# Altium PCB Minion_1_SiC780A_Rev01.PcbDoc (part 5 of 6)
Units mil, origin at the board's own origin, x right, y up, seen from the top; angles counter-clockwise.
Board outline 3937.01 x 3937.01 mil, 4 copper layers (L1, L2, L3, L4), stack 62.087 mil thick; 410 components, 107 nets, 1950 pads, 1997 vias.
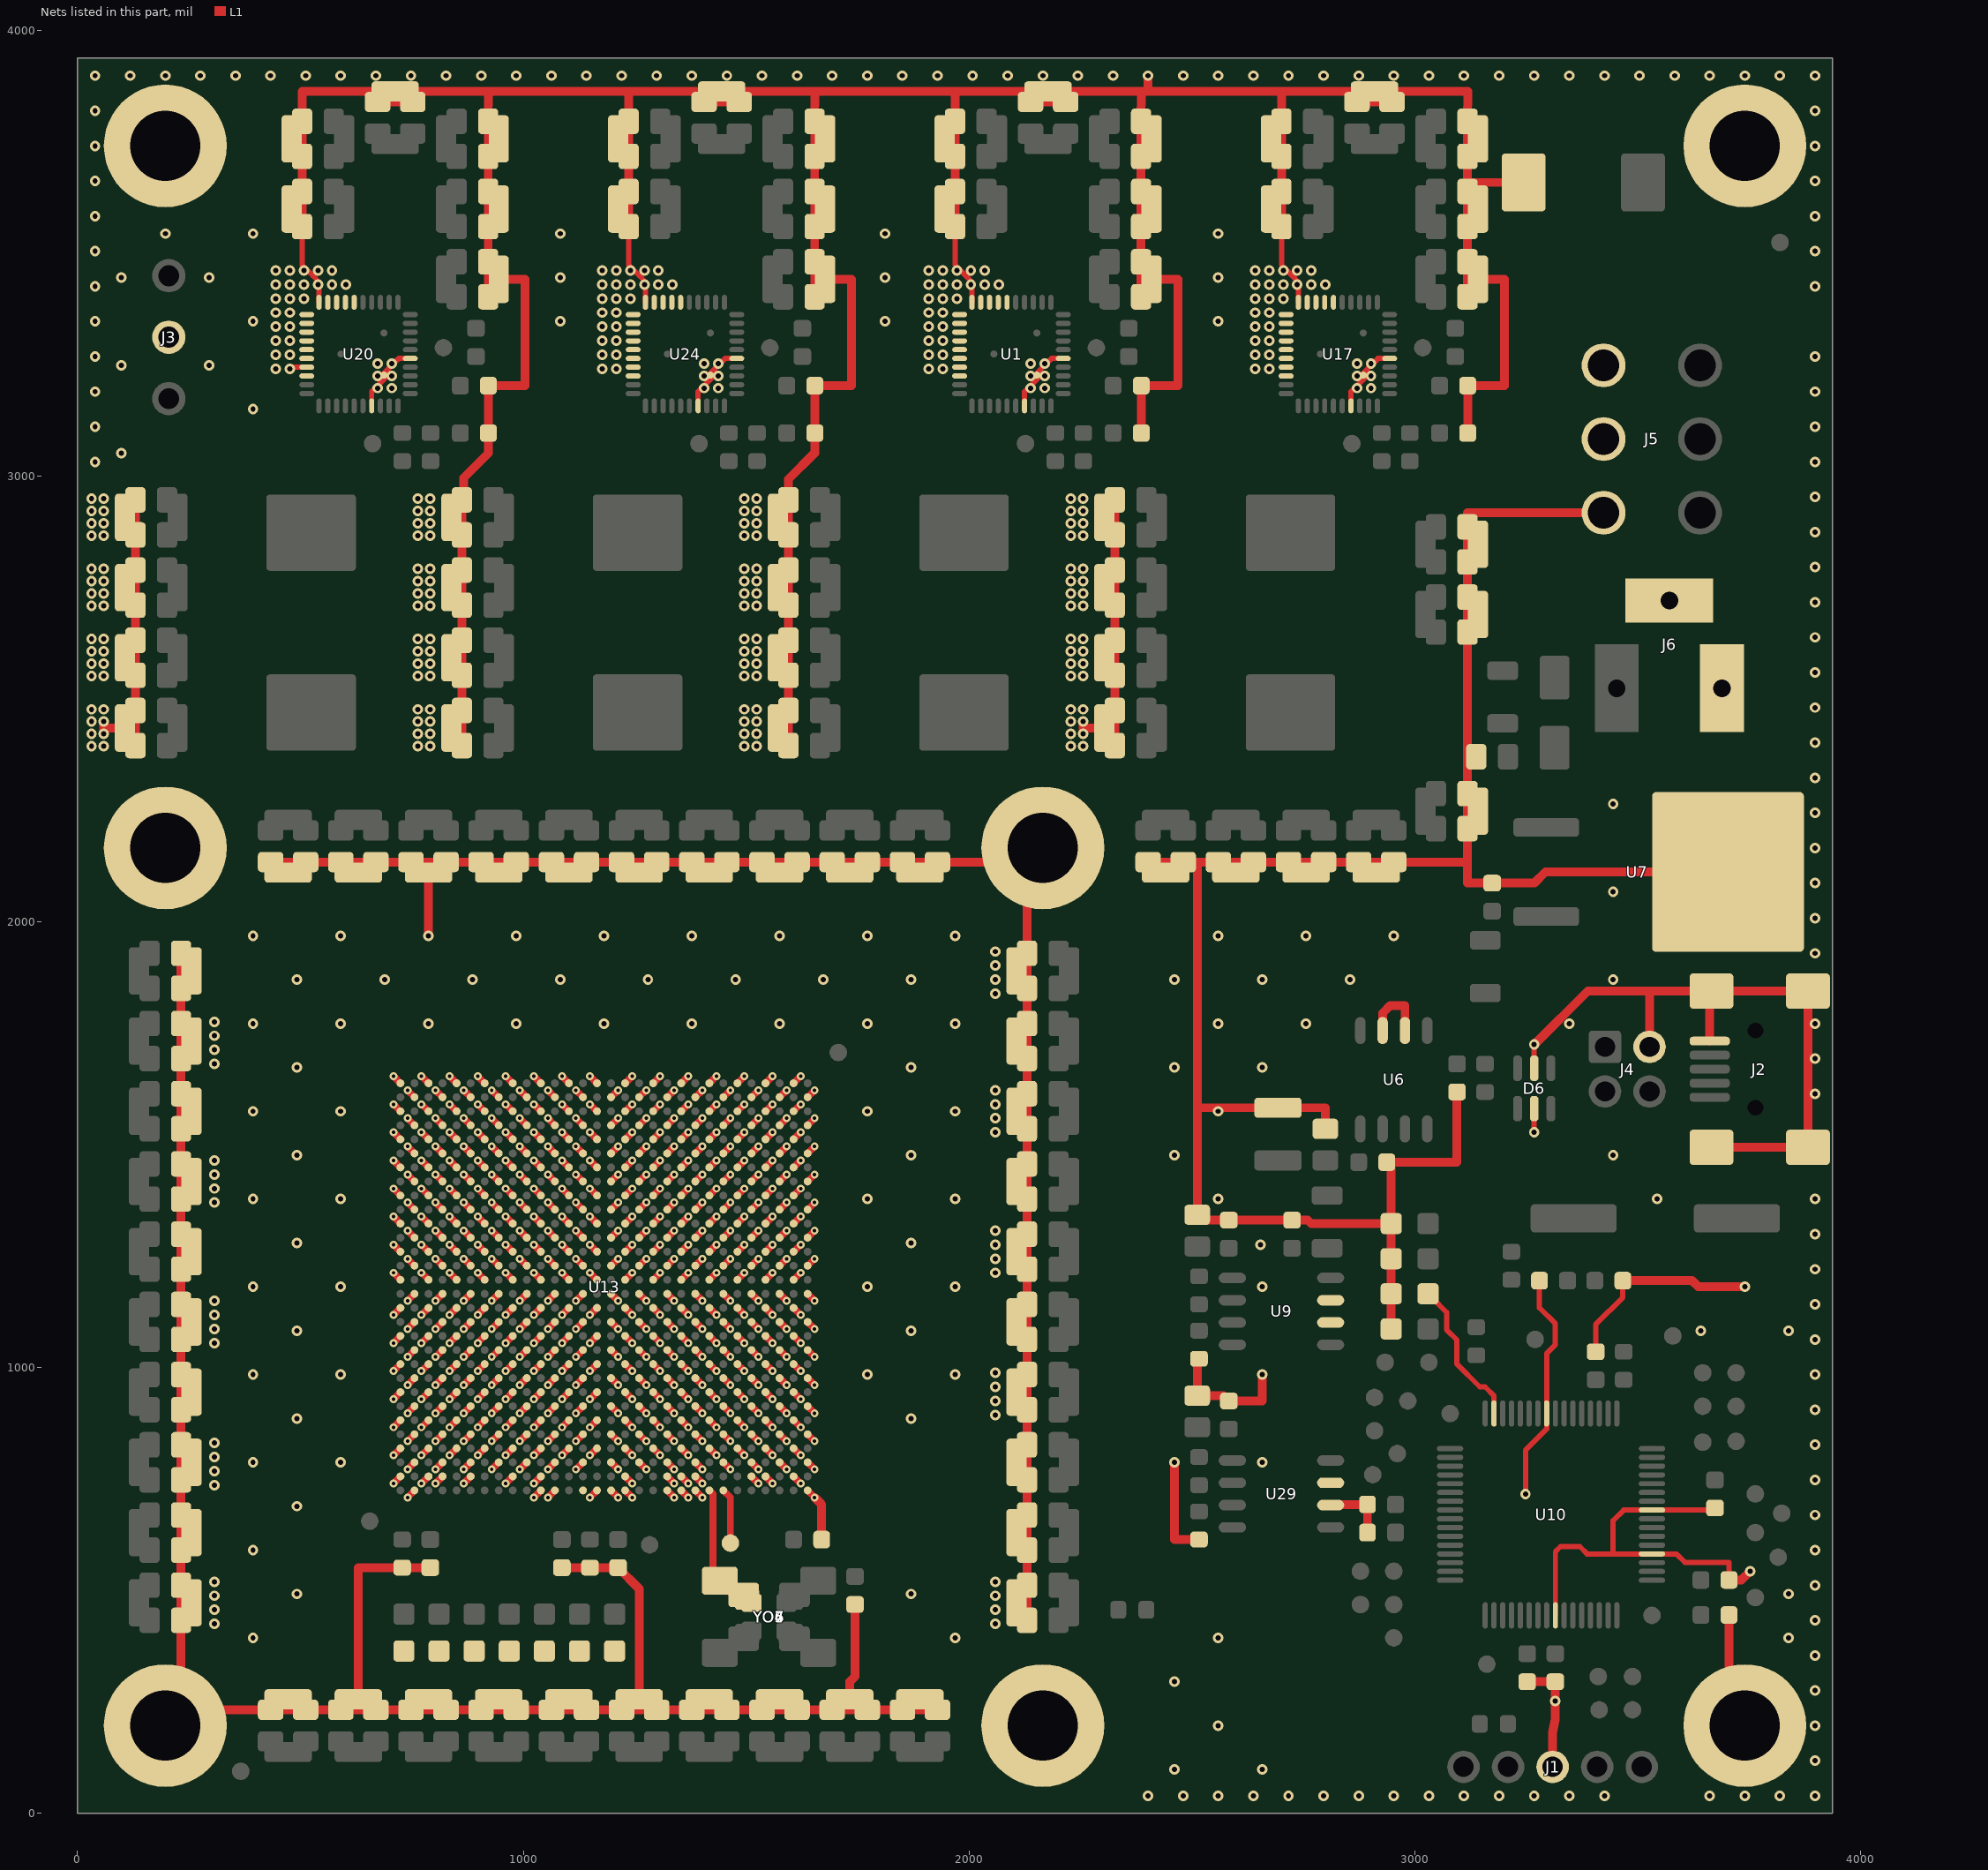
[diagram p7: the nets of this part, all layers, seen from the top]

## Via types
v1: diameter 23.62/23.62/23.62/23.62 (per signal layer), hole 11.81, L1 to L4, 1110 vias
v2: diameter 17.72/17.72/17.72/17.72 (per signal layer), hole 7.87, L1 to L4, 887 vias

## Nets (pads, with @x,y where several pads share a name; then routed paths per layer and width w, separated by ;. In a path a pad name is that pad's centre, name@x,y a point inside that pad or via, vN(x,y) a via of type N, cw(c..) or ccw(c..) an arc to the next point about the centre after c; other vN are vias at no path point) (continued)
GND: C1.2 C2.2 C3.2 C4.1 C5.2 C6.2 C7.2 C8.2 C9.2 C10.2 C11.2 C12.2 C13.1 C14.2 C15.2 C16.2 C17.2 C18.1 C19.1 C20.2 C21.2 C22.1 C23.2 C24.2 C25.2 C26.2 C27.2 C28.2 C29.2 C31.2 C32.1 C33.2 C34.1 C35.1 C36.1 C37.2 C38.2 C39.2 C40.2 C41.1 C42.1 C43.1 C44.1 C45.1 C46.1 C47.1 C48.1 C49.2 C50.2 C51.2 C52.2 C53.1 C54.1 C55.1 C56.1 C57.1 C58.2 C59.1 C60.1 C61.1 C62.1 C63.1 C64.1 C65.2 C66.2 C67.2 C68.2 C69.2 C70.2 C71.2 C72.1 C73.1 C74.1 C75.1 C76.1 C77.1 C78.1 C79.1 C80.1 C81.1 C82.1 C83.1 C84.1 C85.1 C86.1 C87.1 C88.1 C89.2 C90.1 C91.1 C92.1 C94.1 C95.1 C96.1 C97.2 C98.2 C99.1 C100.2 C101.1 C102.1 C103.1 C104.1 C105.1 C106.1 C107.1 C108.2 C109.2 C110.2 C111.2 C112.2 C113.2 C114.2 C115.2 C116.2 C117.1 C118.2 C119.2 C120.2 C121.2 C122.2 C123.2 C124.2 C126.2 C127.2 C128.2 C129.1 C130.2 C131.2 C132.1 C133.1 C134.1 C135.1 C136.1 C137.1 C138.2 C139.2 C140.1 C141.2 C142.1 C143.1 C144.1 C145.1 C146.1 C147.1 C148.1 C149.1 C150.1 C151.1 C152.1 C153.1 C154.1 C155.1 C156.1 C157.1 C158.1 C159.1 C160.1 C161.1 C162.1 C163.1 C164.1 C165.1 C166.1 C167.1 C168.1 C169.1 C170.2 C171.1 C172.2 C173.2 C174.1 C175.2 C176.2 C177.1 C178.1 C179.1 C180.1 C181.1 C182.1 C183.1 C184.1 C185.1 C186.1 C187.2 C188.1 C189.1 C190.1 C191.1 C192.1 C193.1 C194.1 C195.1 C196.1 C197.2 C198.1 C199.2 C200.2 C201.1 C202.2 C203.2 C204.1 C205.2 C206.1 C207.1 C208.1 C209.1 C210.1 C211.1 C212.1 C213.1 C214.1 C215.1 C216.1 C217.1 C218.1 C219.1 C220.1 C221.1 C222.1 C223.1 C224.1 C225.1 C231.2 C232.2 C258.1 C259.1 C260.1 C261.1 C262.1 C263.2 C264.2 C265.2 C266.2 C267.1 C268.2 C269.2 C270.1 C271.2 C272.2 C273.1 C274.2 C275.2 C276.1 C289.1 C303.1 C304.1 C331.2 C332.2 C333.2 C334.2 C347.2 C373.1 C374.1 C375.1 C376.1 C377.1 C378.2 C379.2 C380.2 C381.1 C382.1 C397.1 C398.1 C399.1 C400.1 C401.1 C404.1 C405.1 C406.1 C407.1 C592.2 C594.2 C596.1 C598.2 C599.1 C600.2 C602.1 C603.2 C604.2 C605.1 C606.2 C608.2 C640.2 C642.2 C652.2 C653.1 C654.2 C655.2 C656.1 C657.2 C658.2 C659.1 C660.2 C711.2 C814.2 D1.1 D2.1 D3.1 D4.1 D5.1 D6.2 D6.5 D7.1 D9.1 D12.1 D13.1 D16.1 D17.1 D28.2 J1.3 J2.5 J2.6 J2.7 J2.8 J2.9 J3.2 J4.2 J5.4 J5.5 J5.6 J6.2 J6.3 J9.1 J13.1 J14.1 J15.1 J22.1 J23.1 J24.1 R17.2 R19.1 R25.1 R28.2 U1.5 U1.16 U1.17 U1.18 U1.19 U1.20 U1.21 U1.22 U1.23 U1.24 U1.25 U1.26 U1.27 U1.28 U1.37 U1.41 U6.6 U6.7 U7.4 U9.6 U9.7 U10.9 U10.20 U10.25 U10.41 U13.A1 U13.A3 U13.A5 U13.A7 U13.A9 U13.A11 U13.A13 U13.A15 U13.A17 U13.A19 U13.A21 U13.A23 U13.A25 U13.A27 U13.A29 U13.AA1 U13.AA3 U13.AA5 U13.AA7 U13.AA9 U13.AA11 U13.AA13 U13.AA15 U13.AA17 U13.AA19 U13.AA21 U13.AA23 U13.AA25 U13.AA27 U13.AA29 U13.AB2 U13.AB4 U13.AB6 U13.AB8 U13.AB10 U13.AB12 U13.AB14 U13.AB16 U13.AB18 U13.AB20 U13.AB22 U13.AB24 U13.AB26 U13.AB28 U13.AB30 U13.AC1 U13.AC3 U13.AC5 U13.AC7 U13.AC9 U13.AC11 U13.AC13 U13.AC15 U13.AC17 U13.AC19 U13.AC21 U13.AC23 U13.AC25 U13.AC27 U13.AC29 U13.AD2 U13.AD4 U13.AD6 U13.AD8 U13.AD10 U13.AD12 U13.AD14 U13.AD16 U13.AD18 U13.AD20 U13.AD22 U13.AD24 U13.AD26 U13.AD28 U13.AD30 U13.AE1 U13.AE3 U13.AE5 U13.AE7 U13.AE9 U13.AE11 U13.AE13 U13.AE15 U13.AE17 U13.AE19 U13.AE21 U13.AE23 U13.AE25 U13.AE27 U13.AE29 U13.AF2 U13.AF4 U13.AF6 U13.AF8 U13.AF10 U13.AF12 U13.AF14 U13.AF16 U13.AF18 U13.AF20 U13.AF22 U13.AF24 U13.AF26 U13.AF28 U13.AF30 U13.AG1 U13.AG3 U13.AG5 U13.AG7 U13.AG9 U13.AG11 U13.AG13 U13.AG15 U13.AG17 U13.AG19 U13.AG21 U13.AG23 U13.AG25 U13.AG27 U13.AG29 U13.AH2 U13.AH4 U13.AH6 U13.AH8 U13.AH10 U13.AH12 U13.AH14 U13.AH16 U13.AH18 U13.AH20 U13.AH22 U13.AH24 U13.AH26 U13.AH28 U13.AH30 U13.AJ1 U13.AJ3 U13.AJ4 U13.AJ6 U13.AJ9 U13.AJ11 U13.AJ17 U13.AJ20 U13.AJ21 U13.AJ22 U13.AJ26 U13.AJ27 U13.AJ29 U13.AK2 U13.AK11 U13.AK12 U13.AK14 U13.AK15 U13.AK16 U13.AK17 U13.AK20 U13.AK21 U13.AK22 U13.AK23 U13.AK30 U13.B2 U13.B4 U13.B6 U13.B8 U13.B10 U13.B12 U13.B14 U13.B16 U13.B18 U13.B20 U13.B22 U13.B24 U13.B26 U13.B28 U13.B30 U13.C1 U13.C3 U13.C5 U13.C7 U13.C9 U13.C11 U13.C13 U13.C15 U13.C17 U13.C19 U13.C21 U13.C23 U13.C25 U13.C27 U13.C29 U13.D2 U13.D4 U13.D6 U13.D8 U13.D10 U13.D12 U13.D14 U13.D16 U13.D18 U13.D20 U13.D22 U13.D24 U13.D26 U13.D28 U13.D30 U13.E1 U13.E3 U13.E5 U13.E7 U13.E9 U13.E11 U13.E13 U13.E15 U13.E17 U13.E19 U13.E21 U13.E23 U13.E25 U13.E27 U13.E29 U13.F2 U13.F4 U13.F6 U13.F8 U13.F10 U13.F12 U13.F14 U13.F16 U13.F18 U13.F20 U13.F22 U13.F24 U13.F26 U13.F28 U13.F30 U13.G1 U13.G3 U13.G5 U13.G7 U13.G9 U13.G11 U13.G13 U13.G15 U13.G17 U13.G19 U13.G21 U13.G23 U13.G25 U13.G27 U13.G29 U13.H2 U13.H4 U13.H6 U13.H8 U13.H10 U13.H12 U13.H14 U13.H16 U13.H18 U13.H20 U13.H22 U13.H24 U13.H26 U13.H28 U13.H30 U13.J1 U13.J3 U13.J5 U13.J7 U13.J9 U13.J11 U13.J13 U13.J15 U13.J17 U13.J19 U13.J21 U13.J23 U13.J25 U13.J27 U13.J29 U13.K2 U13.K4 U13.K6 U13.K8 U13.K10 U13.K12 U13.K14 U13.K16 U13.K18 U13.K20 U13.K22 U13.K24 U13.K26 U13.K28 U13.K30 U13.L1 U13.L3 U13.L5 U13.L7 U13.L9 U13.L11 U13.L13 U13.L15 U13.L17 U13.L19 U13.L21 U13.L23 U13.L25 U13.L27 U13.L29 U13.M2 U13.M4 U13.M6 U13.M8 U13.M10 U13.M12 U13.M14 U13.M16 U13.M18 U13.M20 U13.M22 U13.M24 U13.M26 U13.M28 U13.M30 U13.N1 U13.N3 U13.N5 U13.N7 U13.N9 U13.N11 U13.N13 U13.N15 U13.N17 U13.N19 U13.N21 U13.N23 U13.N25 U13.N27 U13.N29 U13.P2 U13.P4 U13.P6 U13.P8 U13.P10 U13.P12 U13.P14 U13.P16 U13.P18 U13.P20 U13.P22 U13.P24 U13.P26 U13.P28 U13.P30 U13.R1 U13.R3 U13.R5 U13.R7 U13.R9 U13.R11 U13.R13 U13.R15 U13.R17 U13.R19 U13.R21 U13.R23 U13.R25 U13.R27 U13.R29 U13.T2 U13.T4 U13.T6 U13.T8 U13.T10 U13.T12 U13.T14 U13.T16 U13.T18 U13.T20 U13.T22 U13.T24 U13.T26 U13.T28 U13.T30 U13.U1 U13.U3 U13.U5 U13.U7 U13.U9 U13.U11 U13.U13 U13.U15 U13.U17 U13.U19 U13.U21 U13.U23 U13.U25 U13.U27 U13.U29 U13.V2 U13.V4 U13.V6 U13.V8 U13.V10 U13.V12 U13.V14 U13.V16 U13.V18 U13.V20 U13.V22 U13.V24 U13.V26 U13.V28 U13.V30 U13.W1 U13.W3 U13.W5 U13.W7 U13.W9 U13.W11 U13.W13 U13.W15 U13.W17 U13.W19 U13.W21 U13.W23 U13.W25 U13.W27 U13.W29 U13.Y2 U13.Y4 U13.Y6 U13.Y8 U13.Y10 U13.Y12 U13.Y14 U13.Y16 U13.Y18 U13.Y20 U13.Y22 U13.Y24 U13.Y26 U13.Y28 U13.Y30 U17.5 U17.16 U17.17 U17.18 U17.19 U17.20 U17.21 U17.22 U17.23 U17.24 U17.25 U17.26 U17.27 U17.28 U17.37 U17.41 U20.5 U20.16 U20.17 U20.18 U20.19 U20.20 U20.21 U20.22 U20.23 U20.24 U20.25 U20.26 U20.27 U20.28 U20.37 U20.41 U24.5 U24.16 U24.17 U24.18 U24.19 U24.20 U24.21 U24.22 U24.23 U24.24 U24.25 U24.26 U24.27 U24.28 U24.37 U24.41 U29.6 U29.7 YO4.2 YO5.2 YO6.2 YO7.2 | length 42303.2
  L1 w11.81: v1(476.38,3240.16) 476.38,3243.69 U20.27@514.23,3243.69 ; C711.2@503.94,3559.06 504.39,3472.44 512.04,3464.79 527.78,3449.04 541.79,3435.04 U20.20@541.79,3389.36 ; U20.37@659.9,3157.07 659.9,3188.98 688.98,3218.05 688.98,3224.45 U20.41@687.46,3225.97 687.46,3230.36 720.47,3263.37 U20.5@746.51,3263.37 ; C115.2@1236.22,3559.06 1236.67,3472.44 1260.07,3449.04 1274.07,3435.04 U24.20@1274.07,3389.36 ; U24.37@1392.18,3157.07 1392.18,3188.98 1421.26,3218.05 1421.26,3224.45 U24.41@1419.74,3225.97 1419.74,3230.36 1452.76,3263.37 U24.5@1478.8,3263.37 ; C640.2@1968.5,3559.06 1968.96,3472.44 1976.6,3464.79 1992.35,3449.04 2006.36,3435.04 U1.20@2006.36,3389.36 ; U1.37@2124.47,3157.07 2124.47,3188.98 2153.54,3218.05 2153.54,3224.45 U1.41@2152.03,3225.97 2152.03,3230.36 2157.68,3236.02 2171.46,3249.8 2185.04,3263.37 U1.5@2211.08,3263.37 ; C126.2@2700.79,3559.06 2701.24,3472.44 2708.89,3464.79 2724.64,3449.04 2738.64,3435.04 U17.20@2738.64,3389.36 ; U17.37@2856.75,3157.07 2856.75,3188.98 2885.83,3218.05 2885.83,3224.45 U17.41@2884.31,3225.97 2884.31,3230.36 2917.32,3263.37 U17.5@2943.36,3263.37 ; v1(3248.03,716.54) 3248.03,814.67 3295.57,862.2 U10.41@3295.57,896.97 3295.57,1031.79 3314.96,1051.18 3314.96,1098.43 3279.53,1133.86 C11.2@3279.53,1194.88 ; v1(3267.72,1527.56) D6.5@3267.72,1580.71 ; D6.2@3267.72,1671.26 v1(3267.72,1724.41) ; U10.9@3315.26,444.21 3315.26,586.91 3326.77,598.43 3370.08,598.43 3386.49,582.01 3444.88,582.01 ; C608.2@3405.51,1035.43 3405.51,1096.46 3466.54,1157.48 C10.2@3466.54,1194.88 ; C8.2@3673.23,685.04 3673.23,680.44 U10.25@3531.79,680.44 3468.5,680.44 3444.88,656.81 3444.88,582.01 ; C6.2@3704.72,523.62 3704.72,562.99 3605.63,562.99 3586.61,582.01 U10.20@3531.79,582.01 3444.88,582.01